# Altium PCB DSP_FPGA.PcbDoc (part 5 of 7)
Units mm, origin at the board's own origin, x right, y up, seen from the top; angles counter-clockwise.
Board outline 243.59 x 170.13 mm, 2 copper layers (Top Layer, Bottom Layer); 649 components, 606 nets, 2327 pads, 2753 vias.
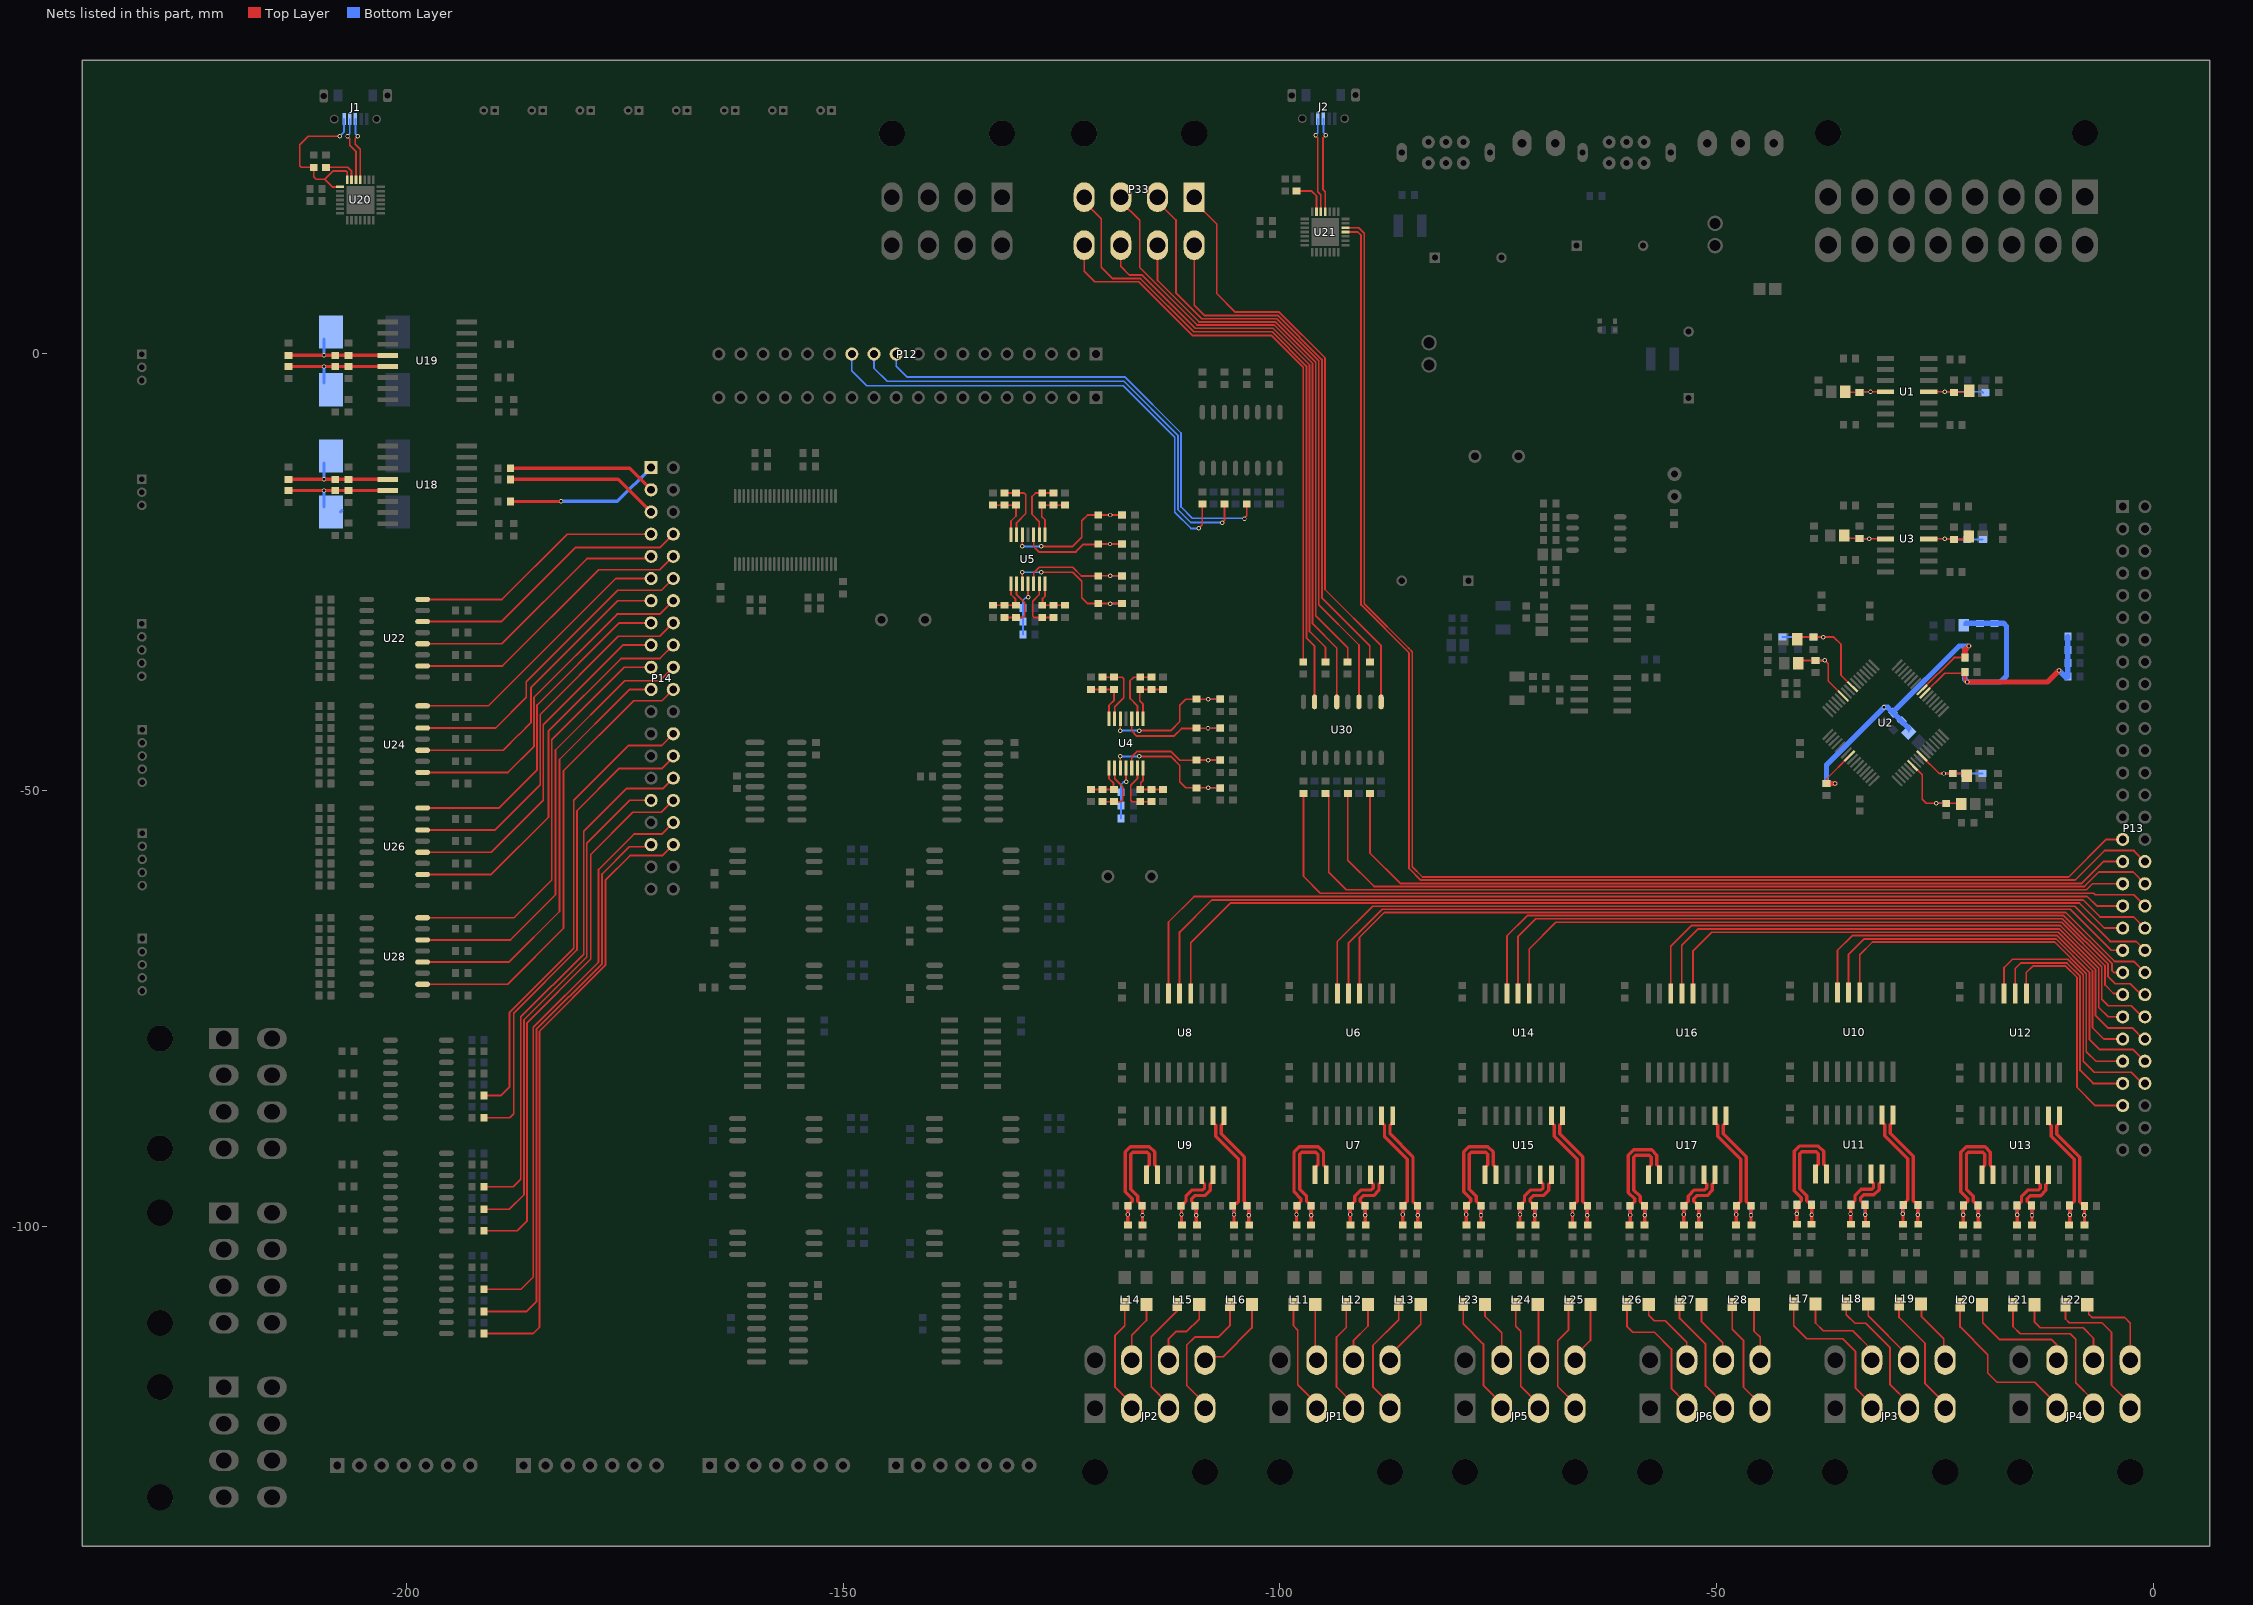
[diagram p5: the nets of this part, all layers, seen from the top]

## Via types
v1: diameter 0.5, hole 0.3, Top Layer to Bottom Layer, tented both sides, 2737 vias
v2: diameter 1.016, hole 0.508, Top Layer to Bottom Layer, tented both sides, 9 vias
v3: diameter 1, hole 0.5, Top Layer to Bottom Layer, tented both sides, 4 vias
v4: diameter 1.2, hole 0.6, Top Layer to Bottom Layer, tented both sides, 2 vias
v5: diameter 1.524, hole 0.762, Top Layer to Bottom Layer, tented both sides, 1 vias

## Nets (pads, with @x,y where several pads share a name; then routed paths per layer and width w, separated by ;. In a path a pad name is that pad's centre, name@x,y a point inside that pad or via, vN(x,y) a via of type N, cw(c..) or ccw(c..) an arc to the next point about the centre after c; other vN are vias at no path point) (continued)
DSP_GPIO_IN2_G2: P14.30 R215.1 | length 60.2
  Top Layer w0.203: R215.1@-191.121,-95.402 -187.782,-95.402 -186.923,-94.543 -186.923,-75.951 -179.73,-68.758 -179.73,-54.686 -174.854,-49.809 -170.663,-49.809 P14.30@-169.469,-48.616
DSP_GPIO_IN2_G3: P14.34 R243.1 | length 66.7
  Top Layer w0.203: R243.1@-191.121,-107.137 -186.902,-107.137 -185.501,-105.736 -185.501,-77.144 -178.029,-69.672 -178.029,-59.08 -173.965,-55.016 -170.79,-55.016 P14.34@-169.469,-53.696
DSP_GPIO_IN2_G4: P12.10 R271.1 | length 55.2
  Top Layer w0.203: v1(-104.064,-18.898) -104.064,-18.817 -103.81,-18.563 R271.1@-103.81,-17.235
  Bottom Layer w0.203: P12.10@-143.942,-0.051 -143.942,-1.448 -142.7,-2.689 -117.732,-2.689 -111.328,-9.093 -111.328,-17.551 -110.029,-18.851 -104.111,-18.851 v1(-104.064,-18.898)
DSP_GPIO_IN3_G1: P14.26 R190.1 | length 53.7
  Top Layer w0.203: R190.1@-191.121,-84.963 -189.23,-84.963 -188.214,-83.947 -188.214,-75.438 -180.873,-68.097 -180.873,-51.13 -174.625,-44.882 -170.815,-44.882 P14.26@-169.469,-43.536
DSP_GPIO_IN3_G2: P14.31 R218.1 | length 57.9
  Top Layer w0.203: R218.1@-191.121,-97.968 -188.239,-97.968 -186.568,-96.296 -186.568,-76.281 -179.375,-69.088 -179.375,-56.058 -174.473,-51.156 P14.31@-172.009,-51.156
DSP_GPIO_IN3_G3: P14.35 R246.1 | length 65.5
  Top Layer w0.203: R246.1@-191.121,-109.677 -186.258,-109.677 -185.145,-108.564 -185.145,-77.373 -177.622,-69.85 -177.622,-59.588 -174.498,-56.464 -172.237,-56.464 P14.35@-172.009,-56.236
DSP_GPIO_IN3_G4: P12.11 R274.1 | length 56
  Top Layer w0.203: v1(-106.604,-19.355) -106.35,-19.101 R274.1@-106.35,-17.235
  Bottom Layer w0.203: P12.11@-146.482,-0.051 -146.482,-1.676 -144.983,-3.175 -117.856,-3.175 -111.684,-9.347 -111.684,-17.856 -110.185,-19.355 v1(-106.604,-19.355)
DSP_GPIO_IN4_G1: P14.28 R193.1 | length 54.8
  Top Layer w0.203: R193.1@-191.121,-87.503 -188.214,-87.503 -187.731,-87.02 -187.731,-75.514 -180.492,-68.275 -180.492,-52.349 -175.641,-47.498 -170.739,-47.498 P14.28@-169.469,-46.228
DSP_GPIO_IN4_G2: P14.32 R221.1 | length 62.4
  Top Layer w0.203: R221.1@-191.121,-100.432 -187.35,-100.432 -186.212,-99.293 -186.212,-76.611 -178.918,-69.317 -178.918,-57.353 -174.092,-52.527 -170.84,-52.527 P14.32@-169.469,-51.156
DSP_GPIO_IN4_G3: P14.36 R249.1 | length 70.4
  Top Layer w0.203: R249.1@-191.121,-112.217 -185.531,-112.217 -184.79,-111.476 -184.79,-77.597 -177.241,-70.049 -177.241,-60.3 -174.422,-57.48 -170.713,-57.48 P14.36@-169.469,-56.236
DSP_GPIO_IN4_G4: P12.12 R277.1 | length 57.1
  Top Layer w0.203: v1(-109.296,-20.015) -108.89,-19.609 R277.1@-108.89,-17.235
  Bottom Layer w0.203: P12.12@-149.022,-0.051 -149.022,-1.956 -147.295,-3.683 -117.958,-3.683 -112.039,-9.601 -112.039,-18.161 -110.185,-20.015 v1(-109.296,-20.015)
DSP_GPIO_OUT1_G1: P14.10 U22.2 | length 33.9
  Top Layer w0.203: U22.2@-198.171,-35.763 -189.027,-35.763 -178.015,-24.752 -171.005,-24.752 P14.10@-169.469,-23.216
DSP_GPIO_OUT1_G2: P14.14 U24.2 | length 40.2
  Top Layer w0.203: U24.2@-198.171,-47.955 -188.392,-47.955 -185.445,-45.009 -185.42,-45.009 -185.42,-39.345 -175.907,-29.832 -171.005,-29.832 P14.14@-169.469,-28.296
DSP_GPIO_OUT1_G3: P14.18 U26.2 | length 45.4
  Top Layer w0.203: U26.2@-198.171,-59.639 -190.322,-59.639 -183.744,-53.061 -183.744,-43.205 -175.45,-34.912 -171.005,-34.912 P14.18@-169.469,-33.376
DSP_GPIO_OUT1_G4: P14.22 U28.2 | length 53.2
  Top Layer w0.203: U28.2@-198.171,-72.212 -188.443,-72.212 -182.042,-65.811 -182.042,-47.777 -174.015,-39.751 -170.764,-39.751 P14.22@-169.469,-38.456
DSP_GPIO_OUT2_G1: P14.9 U22.4 | length 30.3
  Top Layer w0.203: U22.4@-198.171,-33.223 -189.103,-33.223 -179.337,-23.458 -172.251,-23.458 P14.9@-172.009,-23.216
DSP_GPIO_OUT2_G2: P14.13 U24.4 | length 35.6
  Top Layer w0.203: U24.4@-198.171,-45.415 -188.951,-45.415 -187.147,-43.612 -187.122,-43.612 -185.776,-42.266 -185.776,-38.252 -175.819,-28.296 P14.13@-172.009,-28.296
DSP_GPIO_OUT2_G3: P14.17 U26.4 | length 41.1
  Top Layer w0.203: U26.4@-198.171,-57.099 -190.297,-57.099 -184.353,-51.156 -184.353,-42.494 -175.235,-33.376 P14.17@-172.009,-33.376
DSP_GPIO_OUT2_G4: P14.21 U28.4 | length 49.3
  Top Layer w0.203: U28.4@-198.171,-69.672 -188.29,-69.672 -182.499,-63.881 -182.499,-46.482 -174.473,-38.456 P14.21@-172.009,-38.456
DSP_GPIO_OUT3_G1: P14.8 U22.6 | length 32.8
  Top Layer w0.203: U22.6@-198.171,-30.683 -189.154,-30.683 -180.682,-22.212 -171.005,-22.212 P14.8@-169.469,-20.676
DSP_GPIO_OUT3_G2: P14.12 U24.6 | length 36.8
  Top Layer w0.203: U24.6@-198.171,-42.875 -189.814,-42.875 -186.309,-39.37 -186.309,-37.567 -175.844,-27.102 -170.815,-27.102 P14.12@-169.469,-25.756
DSP_GPIO_OUT3_G3: P14.16 U26.6 | length 43.2
  Top Layer w0.203: U26.6@-198.171,-54.559 -189.916,-54.559 -184.709,-49.352 -184.709,-41.326 -175.755,-32.372 -171.005,-32.372 P14.16@-169.469,-30.836
DSP_GPIO_OUT3_G4: P14.20 U28.6 | length 51.3
  Top Layer w0.203: U28.6@-198.171,-67.132 -188.112,-67.132 -182.956,-61.976 -182.956,-45.39 -175.018,-37.452 -171.005,-37.452 P14.20@-169.469,-35.916
DSP_GPIO_OUT4_G1: P14.7 U22.8 | length 29.3
  Top Layer w0.203: U22.8@-198.171,-28.143 -189.078,-28.143 -181.61,-20.676 P14.7@-172.009,-20.676
DSP_GPIO_OUT4_G2: P14.11 U24.8 | length 32.2
  Top Layer w0.203: U24.8@-198.171,-40.335 -190.627,-40.335 -176.047,-25.756 P14.11@-172.009,-25.756
DSP_GPIO_OUT4_G3: P14.15 U26.8 | length 39.3
  Top Layer w0.203: U26.8@-198.171,-52.019 -189.408,-52.019 -185.09,-47.701 -185.064,-47.701 -185.064,-40.234 -175.666,-30.836 P14.15@-172.009,-30.836
DSP_GPIO_OUT4_G4: P14.19 U28.8 | length 47.4
  Top Layer w0.203: U28.8@-198.171,-64.592 -187.706,-64.592 -183.388,-60.274 -183.388,-44.221 -175.082,-35.916 P14.19@-172.009,-35.916
DSP_RS485_EN: P14.5 R153.1 | length 17.7
  Top Layer w0.381: R153.1@-188.112,-14.402 -175.793,-14.402 -172.06,-18.136 P14.5@-172.009,-18.136
DSP_RS485_RXD: P14.1 R151.1 | length 17.7
  Top Layer w0.381: R151.1@-188.112,-16.942 -182.347,-16.942 v1(-182.321,-16.916)
  Bottom Layer w0.381: v1(-182.321,-16.916) -175.87,-16.916 P14.1@-172.009,-13.056
DSP_RS485_TXD: P14.3 R154.1 | length 17.1
  Top Layer w0.381: R154.1@-188.112,-13.132 -174.473,-13.132 P14.3@-172.009,-15.596
DSP_Uart_N: J1.3 U20.4 | length 7.4
  Top Layer w0.203: v1@-205.613,24.871 -205.875,24.609 -205.875,23.96 -205.308,23.393 U20.4@-205.308,19.914
  Top Layer w0.381: v1@-205.613,24.871 v1(-205.613,24.892)
  Bottom Layer w0.203: J1.3@-205.867,26.851 -205.867,25.178 v1@-205.613,24.924
  Bottom Layer w0.381: v1(-205.613,24.892) v1@-205.613,24.924
DSP_Uart_P: J1.2 U20.5 | length 7.4
  Top Layer w0.203: v1@-206.771,24.871 -206.51,24.609 -206.51,23.867 -205.808,23.166 U20.5@-205.808,19.914
  Top Layer w0.381: v1@-206.771,24.871 v1(-206.771,24.892)
  Bottom Layer w0.203: v1@-206.771,24.924 -206.517,25.178 J1.2@-206.517,26.851
  Bottom Layer w0.381: v1(-206.771,24.892) v1@-206.771,24.924
DVDD: C1.1 C9.2 C14.1 C17.2 C18.2 C19.2 L3.2 U2.24 U2.56 | length 43.1
  Top Layer w0.203: C1.1@-37.503,-49.139 -37.417,-49.053 -37.417,-48.709 U2.24@-34.796,-46.088 ; C1.1@-37.417,-49.224 C1.1@-37.417,-49.224 ; U2.56@-26.495,-38.494 -22.812,-34.811 C14.1@-21.574,-34.811 ; v1(-21.133,-33.477) v1@-21.133,-33.452
  Top Layer w0.61: C1.1@-37.417,-49.224 v1(-36.449,-49.225) ; C14.1@-21.574,-34.811 -21.574,-33.918 v1(-21.133,-33.477)
  Bottom Layer w0.203: C9.2@-37.417,-49.224 C9.2@-37.417,-49.224 ; C18.2@-29.68,-41.11 C18.2@-29.68,-40.932 ; L3.2@-27.998,-43.351 L3.2@-27.998,-42.92
  Bottom Layer w0.61: C9.2@-37.417,-49.224 -37.417,-47.094 v1(-30.836,-40.513) -30.404,-40.513 C18.2@-29.807,-41.11 L3.2@-27.998,-42.92 ; C9.2@-37.417,-49.224 v1(-36.449,-49.225) ; C18.2@-29.68,-40.932 -22.225,-33.477 v1(-21.133,-33.477) -21.574,-33.918 C19.2@-21.574,-34.811
En1_A_N: C71.2 R62.1 R68.2 U7.1 | length 14.6
  Top Layer w0.381: R68.2@-96.355,-99.77 -96.404,-99.721 -96.404,-97.598 -96.453,-97.549 -96.453,-97.499 -96.662,-97.289 -96.736,-97.289 -96.959,-97.066 -96.959,-96.487 -97.752,-95.695 -97.752,-91.676 -97.529,-91.453 -95.88,-91.453 -95.656,-91.676 -95.656,-92.906 -95.88,-93.129 -95.885,-93.129 -95.974,-93.218 U7.1@-95.974,-94.018
  Bottom Layer w0.381: C71.2@-96.453,-97.549 -96.408,-97.594 v1(-96.408,-98.663)
En1_A_P: C70.2 R60.2 R61.1 U7.2 | length 16.6
  Top Layer w0.381: R60.2@-98.26,-99.77 -98.101,-99.611 -98.101,-97.549 -98.101,-97.499 -97.891,-97.289 -97.818,-97.289 -97.594,-97.066 -97.594,-96.75 -98.387,-95.958 -98.387,-91.413 -97.792,-90.818 -95.617,-90.818 -95.021,-91.413 -95.021,-92.906 -94.798,-93.129 -94.793,-93.129 -94.704,-93.218 U7.2@-94.704,-94.018
  Bottom Layer w0.381: v1(-98.105,-98.584) -98.103,-98.582 -98.103,-97.551 C70.2@-98.101,-97.549
En1_B_N: C73.2 R64.1 R71.2 U7.7 | length 8.8
  Top Layer w0.381: R64.1@-90.299,-97.549 -90.299,-97.499 -90.508,-97.289 -90.578,-97.289 -90.801,-97.066 -90.801,-96.75 -90.453,-96.403 -89.267,-96.403 -88.671,-95.807 -88.671,-95.13 -88.448,-94.907 -88.443,-94.907 -88.354,-94.818 U7.7@-88.354,-94.018 ; R64.1@-90.242,-97.598 -90.242,-99.721 R71.2@-90.193,-99.77
  Bottom Layer w0.381: v1(-90.246,-98.663) C73.2@-90.246,-97.594
En1_B_P: C72.2 R63.1 R69.2 U7.6 | length 8.8
  Top Layer w0.381: R69.2@-92.098,-99.77 -91.939,-99.611 -91.939,-97.549 -91.939,-97.499 -91.729,-97.289 -91.659,-97.289 -91.436,-97.066 -91.436,-96.487 -90.716,-95.768 -89.53,-95.768 -89.306,-95.544 -89.306,-95.13 -89.53,-94.907 -89.535,-94.907 -89.624,-94.818 U7.6@-89.624,-94.018
  Bottom Layer w0.381: v1(-91.943,-98.584) -91.941,-98.582 C72.2@-91.941,-97.551
En1_Z_N: C75.2 R66.1 R74.2 U7.9 | length 15.1
  Top Layer w0.381: U7.9@-87.084,-87.262 -87.084,-88.062 -87.173,-88.151 -87.178,-88.151 -87.401,-88.374 -87.401,-89.357 -84.776,-91.983 -84.776,-97.091 -84.552,-97.315 -84.463,-97.315 -84.253,-97.524 R66.1@-84.253,-97.574 ; R66.1@-84.236,-97.598 -84.236,-99.721 R74.2@-84.187,-99.77
  Bottom Layer w0.381: v1(-84.24,-98.663) C75.2@-84.24,-97.594
En1_Z_P: C74.2 R65.1 R72.2 U7.10 | length 15.1
  Top Layer w0.381: U7.10@-88.354,-87.262 -88.354,-88.062 -88.265,-88.151 -88.26,-88.151 -88.036,-88.374 -88.036,-89.62 -85.411,-92.246 -85.411,-97.066 -85.634,-97.289 -85.723,-97.289 -85.933,-97.499 -85.933,-97.549 -85.933,-99.611 R72.2@-86.092,-99.77
  Bottom Layer w0.381: v1(-85.937,-98.584) v1(-85.937,-98.584) C74.2@-85.935,-97.551
En2_A_N: C80.2 R77.1 R83.2 U9.1 | length 14.6
  Top Layer w0.381: R83.2@-115.684,-99.77 -115.733,-99.721 -115.733,-97.598 -115.782,-97.549 -115.782,-97.499 -115.992,-97.289 -116.066,-97.289 -116.289,-97.066 -116.289,-96.487 -117.081,-95.695 -117.081,-91.676 -116.858,-91.453 -115.209,-91.453 -114.986,-91.676 -114.986,-92.906 -115.209,-93.129 -115.214,-93.129 -115.303,-93.218 U9.1@-115.303,-94.018
  Bottom Layer w0.381: C80.2@-115.782,-97.549 -115.737,-97.594 v1(-115.737,-98.663)
En2_A_P: C79.2 R75.2 R76.1 U9.2 | length 16.6
  Top Layer w0.381: R75.2@-117.589,-99.77 -117.43,-99.611 -117.43,-97.549 -117.43,-97.499 -117.221,-97.289 -117.147,-97.289 -116.924,-97.066 -116.924,-96.75 -117.716,-95.958 -117.716,-91.413 -117.121,-90.818 -114.946,-90.818 -114.351,-91.413 -114.351,-92.906 -114.128,-93.129 -114.122,-93.129 -114.033,-93.218 U9.2@-114.033,-94.018
  Bottom Layer w0.381: v1(-117.434,-98.584) -117.432,-98.582 -117.432,-97.551 C79.2@-117.43,-97.549
En2_B_N: C82.2 R79.1 R86.2 U9.7 | length 8.8
  Top Layer w0.381: R79.1@-109.628,-97.549 -109.628,-97.499 -109.837,-97.289 -109.907,-97.289 -110.131,-97.066 -110.131,-96.75 -109.783,-96.403 -108.596,-96.403 -108.001,-95.807 -108.001,-95.13 -107.778,-94.907 -107.772,-94.907 -107.683,-94.818 U9.7@-107.683,-94.018 ; R79.1@-109.571,-97.598 -109.571,-99.721 R86.2@-109.522,-99.77
  Bottom Layer w0.381: v1(-109.575,-98.663) C82.2@-109.575,-97.594
En2_B_P: C81.2 R78.1 R84.2 U9.6 | length 8.8
  Top Layer w0.381: R84.2@-111.427,-99.77 -111.268,-99.611 -111.268,-97.549 -111.268,-97.499 -111.059,-97.289 -110.989,-97.289 -110.766,-97.066 -110.766,-96.487 -110.046,-95.768 -108.859,-95.768 -108.636,-95.544 -108.636,-95.13 -108.859,-94.907 -108.864,-94.907 -108.953,-94.818 U9.6@-108.953,-94.018
  Bottom Layer w0.381: v1(-111.272,-98.584) -111.27,-98.582 C81.2@-111.27,-97.551
En2_Z_N: C84.2 R81.1 R89.2 U9.9 | length 15.1
  Top Layer w0.381: U9.9@-106.413,-87.262 -106.413,-88.062 -106.502,-88.151 -106.508,-88.151 -106.731,-88.374 -106.731,-89.357 -104.105,-91.983 -104.105,-97.091 -103.882,-97.315 -103.792,-97.315 -103.722,-97.384 -103.583,-97.524 R81.1@-103.583,-97.574 ; R81.1@-103.565,-97.598 -103.565,-98.663 -103.565,-99.721 R89.2@-103.516,-99.77
  Bottom Layer w0.381: v1(-103.569,-98.663) C84.2@-103.569,-97.594
En2_Z_P: C83.2 R80.1 R87.2 U9.10 | length 15.1
  Top Layer w0.381: U9.10@-107.683,-87.262 -107.683,-88.062 -107.594,-88.151 -107.589,-88.151 -107.366,-88.374 -107.366,-89.62 -104.74,-92.246 -104.74,-97.066 -104.963,-97.289 -105.053,-97.289 -105.262,-97.499 -105.262,-97.549 -105.262,-99.611 R87.2@-105.421,-99.77
  Bottom Layer w0.381: v1(-105.266,-98.584) v1(-105.266,-98.584) C83.2@-105.264,-97.551
En3_A_N: C89.2 R92.1 R98.2 U11.1 | length 14.6
  Top Layer w0.381: R98.2@-39.078,-99.693 -39.127,-99.644 -39.127,-97.521 -39.176,-97.472 -39.176,-97.423 -39.386,-97.213 -39.46,-97.213 -39.683,-96.99 -39.683,-96.411 -40.475,-95.619 -40.475,-91.6 -40.252,-91.376 -38.603,-91.376 -38.38,-91.6 -38.38,-92.83 -38.603,-93.053 -38.608,-93.053 -38.697,-93.142 U11.1@-38.697,-93.942
  Bottom Layer w0.381: C89.2@-39.176,-97.473 -39.131,-97.518 v1(-39.131,-98.587)
En3_A_P: C88.2 R90.2 R91.1 U11.2 | length 16.6
  Top Layer w0.381: R90.2@-40.983,-99.693 -40.824,-99.534 -40.824,-97.473 -40.824,-97.423 -40.615,-97.213 -40.541,-97.213 -40.318,-96.99 -40.318,-96.674 -41.11,-95.882 -41.11,-91.337 -40.515,-90.742 -38.34,-90.742 -37.745,-91.337 -37.745,-92.83 -37.522,-93.053 -37.516,-93.053 -37.427,-93.142 U11.2@-37.427,-93.942
  Bottom Layer w0.381: v1(-40.828,-98.507) -40.826,-98.506 -40.826,-97.475 C88.2@-40.824,-97.473
En3_B_N: C91.2 R94.1 R101.2 U11.7 | length 8.8
  Top Layer w0.381: R94.1@-33.022,-97.472 -33.022,-97.422 -33.231,-97.213 -33.301,-97.213 -33.525,-96.99 -33.525,-96.674 -33.177,-96.326 -31.99,-96.326 -31.395,-95.731 -31.395,-95.054 -31.172,-94.831 -31.166,-94.831 -31.077,-94.742 U11.7@-31.077,-93.942 ; R94.1@-32.965,-97.521 -32.965,-99.644 R101.2@-32.916,-99.693
  Bottom Layer w0.381: v1(-32.969,-98.587) C91.2@-32.969,-97.517
En3_B_P: C90.2 R93.1 R99.2 U11.6 | length 8.8
  Top Layer w0.381: R99.2@-34.821,-99.693 -34.662,-99.534 -34.662,-97.472 -34.662,-97.423 -34.453,-97.213 -34.383,-97.213 -34.16,-96.99 -34.16,-96.411 -33.44,-95.691 -32.253,-95.691 -32.03,-95.468 -32.03,-95.054 -32.253,-94.831 -32.258,-94.831 -32.347,-94.742 U11.6@-32.347,-93.942
  Bottom Layer w0.381: v1(-34.666,-98.507) -34.664,-98.505 C90.2@-34.664,-97.475
En3_Z_N: C93.2 R96.1 R104.2 U11.9 | length 15.1
  Top Layer w0.381: U11.9@-29.807,-87.185 -29.807,-87.986 -29.896,-88.075 -29.902,-88.075 -30.125,-88.298 -30.125,-89.281 -27.499,-91.907 -27.499,-97.015 -27.276,-97.238 -27.186,-97.238 -26.977,-97.448 R96.1@-26.977,-97.498 ; R96.1@-26.959,-97.521 -26.959,-99.644 R104.2@-26.912,-99.693
  Bottom Layer w0.381: v1(-26.963,-98.587) C93.2@-26.963,-97.517
En3_Z_P: C92.2 R95.1 R102.2 U11.10 | length 15
  Top Layer w0.381: U11.10@-31.077,-87.185 -31.077,-87.986 -30.988,-88.075 -30.983,-88.075 -30.76,-88.298 -30.76,-89.544 -28.134,-92.17 -28.134,-96.9 -28.656,-97.423 -28.656,-99.534 R102.2@-28.815,-99.693
  Bottom Layer w0.381: v1(-28.68,-98.482) -28.678,-98.48 C92.2@-28.678,-97.449
En4_A_N: C98.2 R107.1 R113.2 U13.1 | length 14.6
  Top Layer w0.381: R113.2@-20.003,-99.782 -20.052,-99.733 -20.052,-97.61 R107.1@-20.101,-97.561 -20.101,-97.511 -20.31,-97.302 -20.384,-97.302 -20.607,-97.079 -20.607,-96.5 -21.399,-95.708 -21.399,-91.689 -21.176,-91.465 -19.527,-91.465 -19.304,-91.689 -19.304,-92.919 -19.527,-93.142 -19.533,-93.142 -19.621,-93.231 U13.1@-19.621,-94.031
  Bottom Layer w0.381: C98.2@-20.101,-97.561 -20.056,-97.606 v1(-20.056,-98.676)
En4_A_P: C97.2 R105.2 R106.1 U13.2 | length 16.6
  Top Layer w0.381: R105.2@-21.908,-99.782 -21.748,-99.623 R106.1@-21.748,-97.561 -21.748,-97.511 -21.539,-97.302 -21.465,-97.302 -21.242,-97.079 -21.242,-96.763 -22.034,-95.971 -22.034,-91.426 -21.439,-90.83 -19.264,-90.83 -18.669,-91.426 -18.669,-92.919 -18.446,-93.142 -18.44,-93.142 -18.351,-93.231 U13.2@-18.351,-94.031
  Bottom Layer w0.381: v1(-21.752,-98.596) -21.751,-98.594 -21.751,-97.563 C97.2@-21.748,-97.561
En4_B_N: C100.2 R109.1 R116.2 U13.7 | length 8.8
  Top Layer w0.381: R109.1@-13.946,-97.561 -13.946,-97.511 -14.156,-97.302 -14.226,-97.302 -14.449,-97.079 -14.449,-96.763 -14.101,-96.415 -12.914,-96.415 -12.319,-95.82 -12.319,-95.143 -12.096,-94.92 -12.09,-94.92 -12.002,-94.831 U13.7@-12.002,-94.031 ; R109.1@-13.89,-97.61 -13.89,-99.733 R116.2@-13.841,-99.782
  Bottom Layer w0.381: v1(-13.894,-98.676) C100.2@-13.894,-97.606
En4_B_P: C99.2 R108.1 R114.2 U13.6 | length 8.8
  Top Layer w0.381: R114.2@-15.746,-99.782 -15.586,-99.623 R108.1@-15.586,-97.561 -15.586,-97.511 -15.377,-97.302 -15.307,-97.302 -15.084,-97.079 -15.084,-96.5 -14.364,-95.78 -13.177,-95.78 -12.954,-95.557 -12.954,-95.143 -13.177,-94.92 -13.183,-94.92 -13.271,-94.831 U13.6@-13.271,-94.031
  Bottom Layer w0.381: v1(-15.59,-98.596) -15.589,-98.594 C99.2@-15.589,-97.563
En4_Z_N: C102.2 R111.1 R119.2 U13.9 | length 15.1
  Top Layer w0.381: U13.9@-10.731,-87.274 -10.731,-88.075 -10.82,-88.163 -10.826,-88.163 -11.049,-88.387 -11.049,-89.37 -8.423,-91.996 -8.423,-97.104 -8.2,-97.327 -8.11,-97.327 -7.901,-97.537 R111.1@-7.901,-97.587 ; R111.1@-7.884,-97.61 -7.884,-99.733 R119.2@-7.835,-99.782
  Bottom Layer w0.381: v1(-7.888,-98.676) C102.2@-7.888,-97.606
En4_Z_P: C101.2 R110.1 R117.2 U13.10 | length 15.1
  Top Layer w0.381: U13.10@-12.002,-87.274 -12.002,-88.075 -11.913,-88.163 -11.907,-88.163 -11.684,-88.387 -11.684,-89.633 -9.058,-92.259 -9.058,-97.079 -9.281,-97.302 -9.371,-97.302 -9.58,-97.511 R110.1@-9.58,-97.561 -9.58,-99.623 R117.2@-9.74,-99.782
  Bottom Layer w0.381: v1(-9.584,-98.596) v1(-9.584,-98.596) C101.2@-9.583,-97.563
En5_A_N: C107.2 R122.1 R128.2 U15.1 | length 14.6
  Top Layer w0.381: R128.2@-76.924,-99.77 -76.973,-99.721 -76.973,-97.598 -77.022,-97.549 -77.022,-97.499 -77.231,-97.289 -77.305,-97.289 -77.528,-97.066 -77.528,-96.487 -78.321,-95.695 -78.321,-91.676 -78.098,-91.453 -76.449,-91.453 -76.225,-91.676 -76.225,-92.906 -76.449,-93.129 -76.454,-93.129 -76.543,-93.218 U15.1@-76.543,-94.018
  Bottom Layer w0.381: C107.2@-77.022,-97.549 -76.977,-97.594 v1(-76.977,-98.663)
En5_A_P: C106.2 R120.2 R121.1 U15.2 | length 16.6
  Top Layer w0.381: R120.2@-78.829,-99.77 -78.67,-99.611 -78.67,-97.549 -78.67,-97.499 -78.46,-97.289 -78.387,-97.289 -78.163,-97.066 -78.163,-96.75 -78.956,-95.958 -78.956,-91.413 -78.361,-90.818 -76.186,-90.818 -75.59,-91.413 -75.59,-92.906 -75.367,-93.129 -75.362,-93.129 -75.273,-93.218 U15.2@-75.273,-94.018
  Bottom Layer w0.381: v1(-78.674,-98.584) -78.672,-98.582 -78.672,-97.551 C106.2@-78.67,-97.549
En5_B_N: C109.2 R124.1 R131.2 U15.7 | length 8.8
  Top Layer w0.381: R124.1@-70.868,-97.549 -70.868,-97.499 -71.077,-97.289 -71.147,-97.289 -71.37,-97.066 -71.37,-96.75 -71.022,-96.403 -69.836,-96.403 -69.24,-95.807 -69.24,-95.13 -69.017,-94.907 -69.012,-94.907 -68.923,-94.818 U15.7@-68.923,-94.018 ; R124.1@-70.811,-97.598 -70.811,-99.721 R131.2@-70.762,-99.77
  Bottom Layer w0.381: v1(-70.815,-98.663) C109.2@-70.815,-97.594
En5_B_P: C108.2 R123.1 R129.2 U15.6 | length 8.8
  Top Layer w0.381: R129.2@-72.667,-99.77 -72.508,-99.611 -72.508,-97.549 -72.508,-97.499 -72.298,-97.289 -72.228,-97.289 -72.005,-97.066 -72.005,-96.487 -71.285,-95.768 -70.099,-95.768 -69.875,-95.544 -69.875,-95.13 -70.099,-94.907 -70.104,-94.907 -70.193,-94.818 U15.6@-70.193,-94.018
  Bottom Layer w0.381: v1(-72.512,-98.584) -72.51,-98.582 C108.2@-72.51,-97.551
En5_Z_N: C111.2 R126.1 R134.2 U15.9 | length 15.1
  Top Layer w0.381: U15.9@-67.653,-87.262 -67.653,-88.062 -67.742,-88.151 -67.747,-88.151 -67.97,-88.374 -67.97,-89.357 -65.345,-91.983 -65.345,-97.091 -65.121,-97.315 -65.032,-97.315 -64.822,-97.524 R126.1@-64.822,-97.574 ; R126.1@-64.805,-97.598 -64.805,-99.721 R134.2@-64.756,-99.77